# Altium PCB Bahran_pcb.PcbDoc (part 1 of 2) (continued)
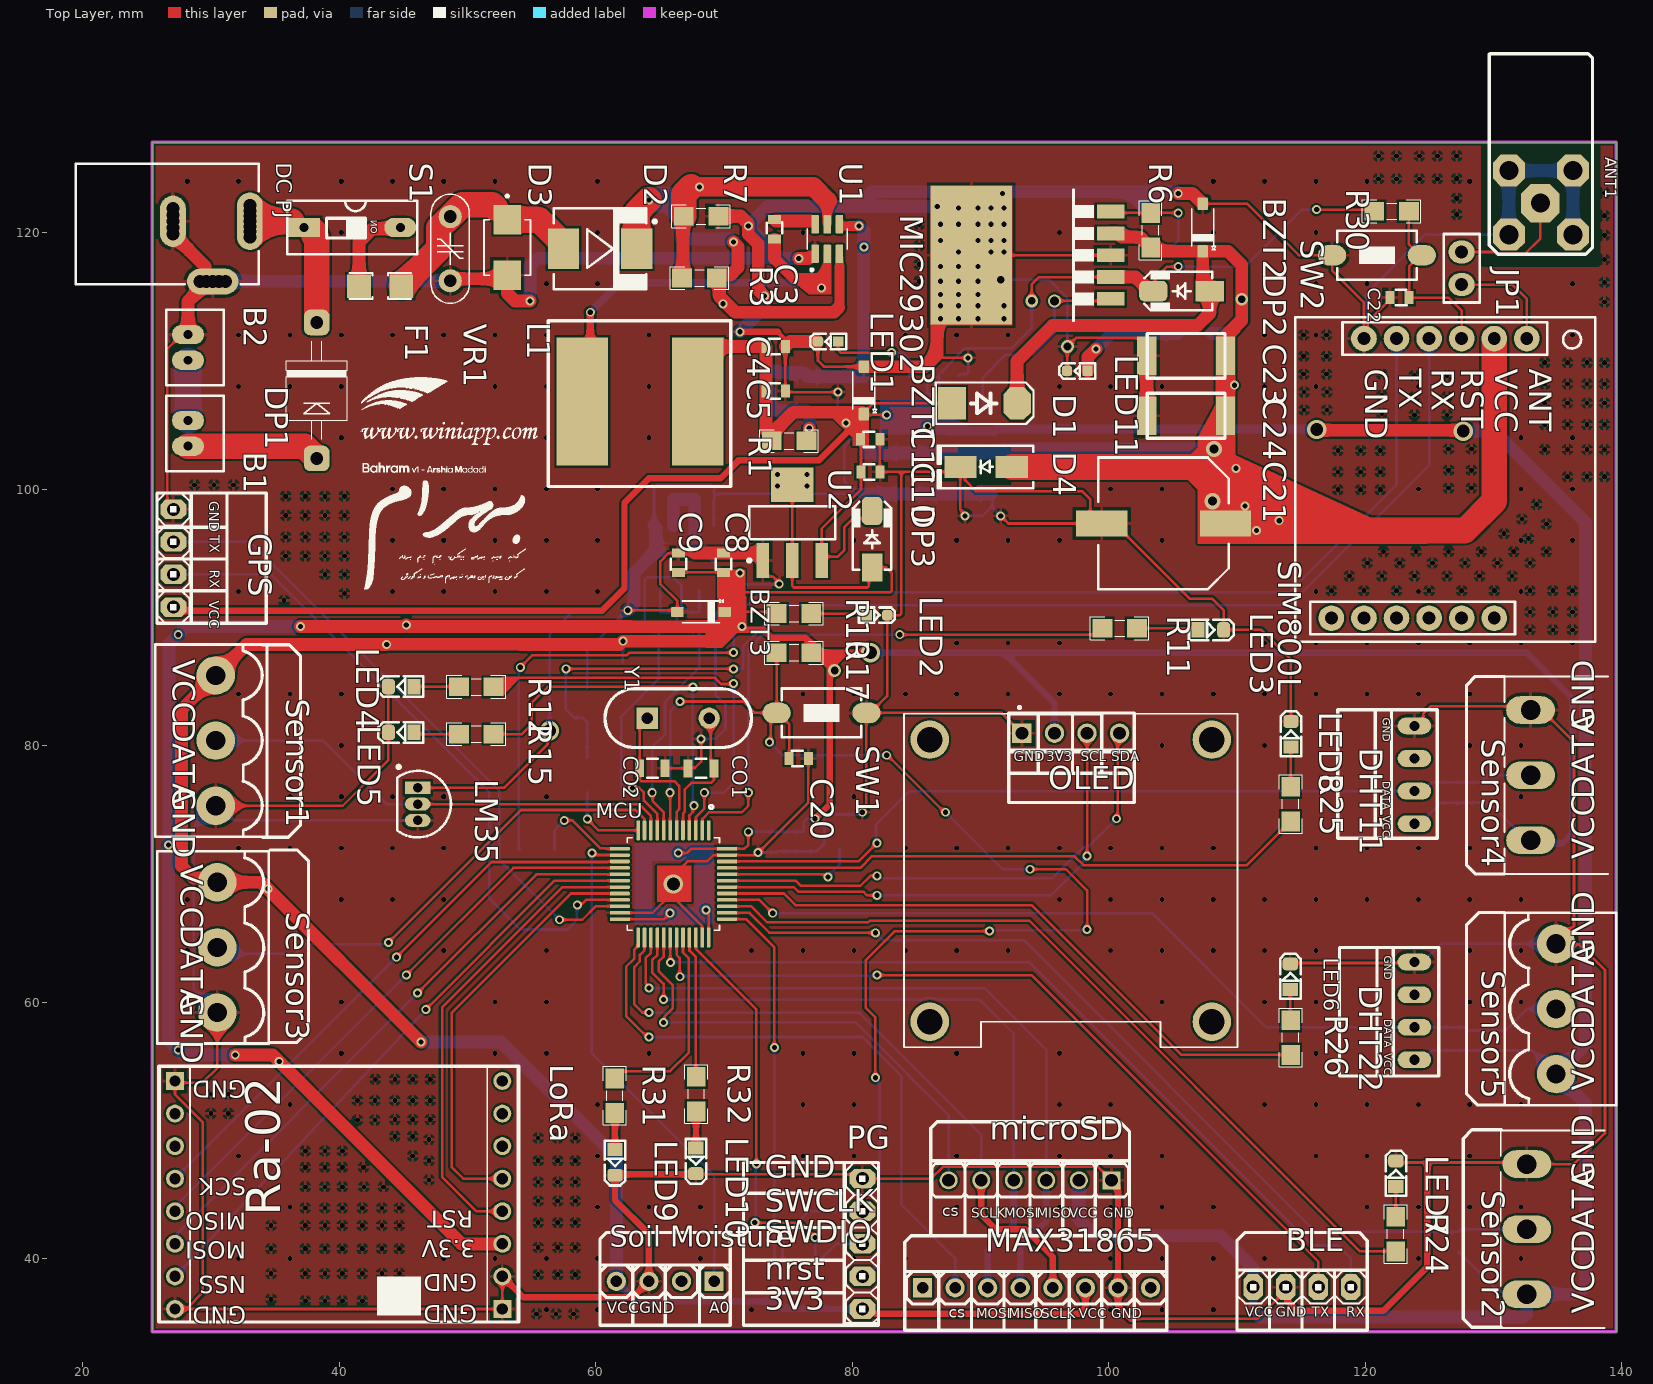
[diagram p0: Top Layer view]
## Footprints (in the part's own frame and the unit in brackets; to place one, negate y for a bottom-side part, rotate by r counter-clockwise, add the part's x,y. Pads: shape width x height; smd on the part's side, far side on the other; paste and mask are expansions set on the pad) (continued)
  round 55 hole 35: 2(-540,-1090) 3(-540,-1190) 4(-540,-1290) 5(-540,-1390) 6(-540,-1490) 7(-540,-1590) 8(-540,-1690) 10(465,-1590) 11(465,-1490) 12(465,-1390) 13(465,-1290) 14(465,-1190) 15(465,-1090) 16(465,-990)
  silkscreen extent -590,-1735 515,-948
MHDR1X04-254P [mm] "Male Header 1X04 with 2.54 mm Pitch"
  rect 1.5x1.5 hole 0.9: 1(0,0)
  round 1.5 hole 0.9: 2(2.54,0) 3(5.08,0) 4(7.62,0)
  silkscreen extent -1.27,-1.27 8.89,1.27, body extent -1.27,-1.27 8.89,1.27, height 8.43
MHDR1X08-254P [mm] "Male Header 1X08 with 2.54 mm Pitch"
  rect 1.5x1.5 hole 0.9: 1(0,0)
  round 1.5 hole 0.9: 2(2.54,0) 3(5.08,0) 4(7.62,0) 5(10.16,0) 6(12.7,0) 7(15.24,0) 8(17.78,0)
  silkscreen extent -1.27,-1.27 19.05,1.27, body extent -1.27,-1.27 19.05,1.27, height 8.43
MODULE_DM-OLED096-636 [mm]
  rect 1.508x1.508 / inner round 1.508 / far side rect 1.508x1.508 hole 1: 1(-3.81,11.5)
  round 1.508 hole 1: 2(-1.27,11.5) 3(1.27,11.5) 4(3.81,11.5)
  round 3 hole 2: S1(-11,11) S2(11,11) S3(11,-11) S4(-11,-11)
  silkscreen extent -13,-13 13,13.6, body extent -13,-13 13,13, height 5.66
"MSTB 2,5/3-G-5,08" [mil] "Header, Nominal current: 12 A Rated voltage (III/2): 320 V Number of positions: 3 Pitch: 5.08 mm Color: green Contact surface: Tin Assembly: Soldering  DESIGNER:ABBAS BASEREH"
  oval 85x150 hole 60: 1(-200,0) 2(0,0) 3(200,0)
  silkscreen extent -303,-238 303,80, body extent -300,-394 300,79, height 340
My_1X04 [mil]
  oct 60x80 hole 40: 1(-150,0) 2(-50,0) 3(50,0) 4(150,0)
  silkscreen extent -200,-50 200,50, body extent -198,-49 202,51, height 234
My_1X05 [mil]
  oct 60x80 hole 40: 1(-200,0) 2(-100,0) 3(0,0) 4(100,0) 5(200,0)
  silkscreen extent -250,-50 250,50, body extent -250,-59 250,56, height 335
MY_CAP_SMD-C [mm] "3.5X6"
  rect 1.5x3 smd: +(-2.8,0.1) -(3.35,0.1)
  silkscreen extent -2.75,-1.65 3.3,1.85, body extent -2.6,-1.5 3.2,1.7, height 2.6
MY_CAP_SMD_0603 [mm]
  rect 0.7x1 smd: 1(-0.75,0) 2(0.75,0)
  silkscreen extent -0.55,-0.6 0.3,0.6, body extent -1.29,-0.52 1.31,0.48, height 0.89
MY_CAP_SMD_0805 [mm]
  rect 0.7x1.4 smd: 1(-1,0) 2(1,0)
  silkscreen extent -0.4,-0.75 0.4,0.75, body extent -1,-0.62 1,0.63, height 0.78
MY_SIM20_ANT [mm]
  oct 2.5x2.5 hole 1.5: 1(-2.473,2.467) 1(-2.473,-2.533) 1(2.527,2.467) 1(2.527,-2.533)
  oct 3x3 hole 1.5: 2(0.067,0.007)
  silkscreen extent -4,-11.65 4.05,4, body extent -3.6,-11.55 3.4,3.55, height 9.86
"PHOENIX MSTBVF_3" [mm] "PHOENIX MSTBV 3, 5-G, 5.08mm pitch"
  round 3 hole 1.5: 1(-5.08,0) 2(0,0) 3(5.08,0)
  silkscreen extent -7.49,-4.7 7.49,4, body extent -7.5,-10.92 7.5,4.08, height 21.7
QFP50P900X900X160-48N [mm]
  rrect50% 1.56x0.28 smd: 2(-4.18,2.25) 3(-4.18,1.75) 4(-4.18,1.25) 5(-4.18,0.75) 6(-4.18,0.25) 7(-4.18,-0.25) 8(-4.18,-0.75) 9(-4.18,-1.25) 10(-4.18,-1.75) 11(-4.18,-2.25) 12(-4.18,-2.75) 25(4.18,-2.75) 26(4.18,-2.25) 27(4.18,-1.75) 28(4.18,-1.25) 29(4.18,-0.75) 30(4.18,-0.25) 31(4.18,0.25) 32(4.18,0.75) 33(4.18,1.25) 34(4.18,1.75) 35(4.18,2.25) 36(4.18,2.75) ""(-4.18,2.75)
  rrect50% 0.28x1.56 smd: 13(-2.75,-4.18) 14(-2.25,-4.18) 15(-1.75,-4.18) 16(-1.25,-4.18) 17(-0.75,-4.18) 18(-0.25,-4.18) 19(0.25,-4.18) 20(0.75,-4.18) 21(1.25,-4.18) 22(1.75,-4.18) 23(2.25,-4.18) 24(2.75,-4.18) 37(2.75,4.18) 38(2.25,4.18) 39(1.75,4.18) 40(1.25,4.18) 41(0.75,4.18) 42(0.25,4.18) 43(-0.25,4.18) 44(-0.75,4.18) 45(-1.25,4.18) 46(-1.75,4.18) 47(-2.25,4.18) 48(-2.75,4.18)
  silkscreen extent -6.15,-3.6 3.6,3.6, body extent -4.5,-4.5 4.5,4.5, height 1.6
"RES 0603_1608" [mm] "Chip Resistor, 2-Leads, Body 1.60x0.80mm, IPC Medium Density"
  rect 0.75x0.95 smd: 1(-0.8,0) 2(0.8,0)
  silkscreen extent -1.3,-0.67 1.3,0.68, body extent -0.8,-0.4 0.8,0.4, height 0.45
RESC3413X04N [mm] "Chip Resistor, 2-Leads, Body 3/40x1/30mm, IPC Medium Density-Design:Abbas Basereh"
  rect 1.55x1.45 smd: 1(-1.35,0) 2(1.35,0)
  silkscreen extent -2.29,-0.89 2.29,0.89, body extent -1.25,-0.62 1.25,0.62, height 0.79
SIM800L [mm]
  round 2 hole 1: 1(-10.9,7.62) 2(-10.9,5.08) 3(-10.9,2.54) 4(-10.9,0) 5(-10.9,-2.54) 6(-10.9,-5.08) 7(10.9,-7.62) 8(10.9,-5.08) 9(10.9,-2.54) 10(10.9,0) 11(10.9,2.54) 12(10.9,5.08)
  silkscreen extent -12.55,-10.45 12.73,12.95, body extent -12.41,-10.32 12.59,12.81, height 8.1
"SMD_1000uf 16V" [mm]
  rect 4x2 smd: 1(-4.826,0) 2(4.826,0)
  silkscreen extent -5.08,-5.14 5.08,5.14, body extent -5.5,-5.15 5.5,5.15, height 7.9
SOD123 [mm] "SOD-123; 2 Leads; Body 2.7 x 1.6 mm, (LxW)"
  round 0.508 on Mech15: 0(0,0)
  rrect25% 1x0.8 smd: 1(1.85,0) 2(-1.85,0)
  silkscreen extent -1.75,-1 1.45,0.85, body extent -1.85,-0.8 1.85,0.8, height 1.25
SOT95P280X110-6N [mm]
  rrect25% 1.45x0.59 smd: 1(-1.155,0.95) 2(-1.155,0) 3(-1.155,-0.95) 4(1.155,-0.95) 5(1.155,0) 6(1.155,0.95)
  silkscreen extent -2.5,-1.57 0.8,1.57, body extent -1.4,-1.45 1.4,1.45, height 1.1
SOT223_M [mm] "SOT223, 4-Leads, Body 6.5x3.5mm, Pitch 2.3mm, Lead Span 7mm, IPC Low Density"
  rect 2.7x1 smd: 1(-2.95,2.3) 2(-2.95,0) 3(-2.95,-2.3)
  rect 2.7x3.3 smd: 4(2.95,0)
  silkscreen extent -3.07,-3.35 1.3,3.47, body extent -3.49,-3.24 3.49,3.24, height 1.64
SWPBS_SPST_6X3X5 [mm] "SWITCH, PUSHBUTTON, SMD, SPST, 6X3.5mm, SKQMBBE010, 50000 Cycles, 1.57N Force"
  oval 2.2x1.6 smd mask+0.1: 1(-3.5,0) 2(3.5,0)
  silkscreen extent -3.1,-1.9 3.1,1.9, body extent -3.65,-1.75 3.65,1.75, height 5
TO263-5 [mil]
  rect 42x85 smd: 1(-134,-228) 2(-67,-228) 3(0,-228) 4(67,-228) 5(134,-228)
  rect 425.2x250 smd: 6(0,200)
  silkscreen extent -201,-176 201,-110, body extent -200,-272 200,315, height 190
Z03A [mm] "TO, Flat Index; 3 In-Line, Axial Leads; Body Dia. 5mm; Leads 0.55 x 0.50 mm (max)"
  rect 2x1 hole 0.75: 1(0,-1.27)
  oval 2x1 hole 0.75: 2(0,0) 3(0,1.27)
  silkscreen extent -2.6,-3.02 1.6,2.6, body extent -2.6,-2.61 1.6,2.61, height 5.2

## Part data
ANT1: "ANT"
B1 B2: "Connector Header Through Hole 0.079\" (2.00mm)", PartNumber=B2B-PH-K-S(LF)(SN)
BLE GPS: "Header, 4-Pin", LatestRevisionDate=17-Jul-2002, LatestRevisionNote="Re-released for DXP Platform.", Publisher="Altium Limited"
BZT1 BZT2 BZT3: library part "ZENER GENERAL DIODE", "DIODE ZENER GENERAL", ComponentLink1Description="Manufacturer Link", ComponentLink2Description=Datasheet, PackageDescription="DIODE GEN ZENER", PackageReference="DO 35", PackageVersion=2017-1-12, Published=2017-1-12, Publisher="Abbas Basereh"
C1 C2 C3 C4 C5 C6 C7 C8 C9 C10 C11: library part "CAP SMD_0603", "CAP SMD_0603"
C12 C13 C14 C15 C16 C17 C18 C19 C20 C22: library part "CAP SMD_0603", "1.6 mm × 0.8 mm"
C21: library part Capacitor, "Electrolyte Capacitor"
C23 C24: library part CAP_TANTAL_C, "6X3.2MM"
C25 C26 C27 C28: library part Cap, "Capacitor", LatestRevisionDate=17-Jul-2002, LatestRevisionNote="Re-released for DXP Platform.", PackageReference=RAD-0.3, Published=8-Jun-2000, Publisher="Altium Limited"
CO1 CO2: library part "CAP SMD_0805", "2.0 mm × 1.25 mm"
D1: library part 1N4007-1, "1N4007 smd diode"
D2: library part "1N5822 SMD", "Schottky Rectifiers", Manufacturer="ON Semiconductor/Fairchild", Data=16-12-2016, Designer="Abbas Basereh", Link=https://www.aliexpress.com/item/Free-shipping-100pcs-1n5822-sma-smd-do-214ac-Schottky-diode-ss34/32337482329.html?spm=2114.01010208.3.1.zLZDsP&ws_ab_test=searchweb0_0,searchweb201602_4_10065_10068_10084_10083_10080_10082_10081_10060_10061_10062_10056_10055_10054_10059_10099_10078_10079_427_10073_10103_10102_10096_10052_10050_10051,searchweb201603_4&btsid=6e50dc92-ac69-45bc-a19e-209af19ce602, Part. No=SS34
D3: "600W, 18.8V, 5%, Unidirectional, TVS", Package="SMD-2-2 Avago", Availability="In Stock", Check_prices=https://www.snapeda.com/parts/SMBJ16A/Taiwan+Semiconductor/view-part/?ref=eda, MF="Taiwan Semiconductor", MP=SMBJ16A, Price=None, Purchase-URL=https://pricing.snapeda.com/search/part/SMBJ16A/?ref=eda, SnapEDA_Link=https://www.snapeda.com/parts/SMBJ16A/Taiwan+Semiconductor/view-part/?ref=snap
D4: library part "US1M (SMD SMA)", "Diode Standard 1000V 1A Surface Mount SMA", PartNumber=US1M-13-F
"DC PJ": "DC Power Jack. Center Pin 2.5mm. Diameter: 5.7mm", Adding Date=10/21/2009, Company=Personal, Designer="Ali Hafizi", Project Name=Laser
DHT11: library part DHT22, "Capacitive-type humidity and temperature module/sensor", Package=Package, Check_prices=https://www.snapeda.com/parts/DHT22/Aosong+Electronics/view-part/?ref=eda, MF="Aosong Electronics", MP=DHT22, SnapEDA_Link=https://www.snapeda.com/parts/DHT22/Aosong+Electronics/view-part/?ref=snap
DHT22: "Capacitive-type humidity and temperature module/sensor", Package=Package, Check_prices=https://www.snapeda.com/parts/DHT22/Aosong+Electronics/view-part/?ref=eda, MF="Aosong Electronics", MP=DHT22, SnapEDA_Link=https://www.snapeda.com/parts/DHT22/Aosong+Electronics/view-part/?ref=snap
DP1 DP2 DP3: "Schottkey Rectifiers", Data=16-12-2016, Designer="Abbas Basereh"
F1: library part "Fuse SMD1206", "SMD Fuses 1206", Data=16-12-2016, Desc.="SMD Fuses 1206", Designer="Abbas Basereh"
FB1 FB2: library part "Ferrite Bead SMD Package", Designer="Ali Hafizi"
L1: library part INDUCTOR_SMD_3A, "INDUCTOR_SMD_3A"
L2: library part "Ind 1206", "SMT Inductor"
LM35: library part LM35CAZ, "Precision Centigrade Temperature Sensor", DigiKeyPartNumber=LM35CAZ-ND, Manufacturer="National Semiconductor", PackageTopMarking=NSXYTT*LM35*CAZ, PowerWise=N, Code_JEDEC=TO-226-AA, ComponentLink1Description="LM35 Datasheet", ComponentLink1URL=http://www.national.com/ds/LM/LM35.pdf, ComponentLink2Description="LM35 Web Page", ComponentLink2URL=http://www.national.com/pf/LM/LM35.html, ComponentLink3Description="Z03A Package Page", ComponentLink3URL=http://www.national.com/packaging/folders/z03a.html, CompType="Temp Sensor IC", DatasheetVersion=Nov-2000, LatestRevisionDate=15-Jul-2009, LatestRevisionNote="Sch pins 1 & 3 reversed.", PackageDescription="TO-92, Molded, 3 Lead", PackageReference=Z03A, PackageVersion="revG, Sep-2000", PartNumber=LM35CAZ, PinCount=3, Published=4-Dec-2008, Publisher="Altium Limited", RoHS=O
LoRa: library part LoRa
MAX31865: library part MHDR_1X08, "Male Header 1X08"
MCU: "ARM Cortex-M3 32-bit MCU, 64 KB Flash, 20 KB Internal RAM, 37 I/Os, 48-pin LQFP, -40 to 85 degC, Tray", I/Os (High Current)=37, Operating Frequency(F) (Processor speed) (MHz)=72, Supplier Part Number 1=497-6063-ND, Supply Voltage(Vcc) min (V)=2, A/D Converter="2x12-bit (10 Channel)", ComponentLink1Description="Manufacturer URL", ComponentLink1URL=http://www.st.com/web/en/home.html, ComponentLink2Description=Datasheet, ComponentLink2URL=http://www.st.com/st-web-ui/static/active/en/resource/technical/document/datasheet/CD00161566.pdf, ComponentLink3Description="Package Specification", ComponentLink3URL=http://www.st.com/st-web-ui/static/active/en/resource/technical/document/datasheet/DM00058181.pdf, Core="ARM Cortex-M3", DatasheetVersion="Rev. 16", FLASH Size (Prog) (kB)=64, Internal RAM Size (kB)=20, Mounting Technology="Surface Mount", PackageDescription="48-Pin Low Profile Quad Flat Package, 7 x 7 mm Body, 0.5 mm Pitch", PackageReference=LQFP48, PackageVersion="Rev. 6, 06/2013", Packing=Tray, PartNumber=STM32F103C8T6, Supplier 1=Digi-Key, Supplier 2=Farnell, Supplier 3=Newark, Supplier 4=Newark, Supplier 5=Mouser, Supplier Part Number 2=1447637, Supplier Part Number 3=59M2182, Supplier Part Number 4=57P1222, Supplier Part Number 5=511-STM32F103C8T6
MIC29302: "Linear Voltage Regulator IC Positive Adjustable 1 Output 3A TO-263-5", Package="TO-263-5 Microchip", Check_prices=https://www.snapeda.com/parts/MIC29302AWU/Microchip/view-part/?ref=eda, MF=Microchip, MP=MIC29302AWU, SnapEDA_Link=https://www.snapeda.com/parts/MIC29302AWU/Microchip/view-part/?ref=snap
microSD: library part "Header 6", "Header, 6-Pin", LatestRevisionDate=17-Jul-2002, LatestRevisionNote="Re-released for DXP Platform.", Publisher="Altium Limited"
OLED: library part DM-OLED096-636, "0.96â€ 128 X 64 MONOCHROME GRAPHIC OLED DISPLAY MODULE - I2C", Package=Package, Check_prices=https://www.snapeda.com/parts/DM-OLED096-636/Display+Module/view-part/?ref=eda, MF="Display Module", MP=DM-OLED096-636, SnapEDA_Link=https://www.snapeda.com/parts/DM-OLED096-636/Display+Module/view-part/?ref=snap
PG: "Header, 5-Pin", LatestRevisionDate=17-Jul-2002, LatestRevisionNote="Re-released for DXP Platform.", Publisher="Altium Limited"
R1 R2 R3 R4 R5 R6 R7 R8 R9 R10 R11 R12 R13 R14 R15 R16 R17 R24 R25 R26 R27 R28 R29 R30 R31 R32 R33: library part "RES 0805 0.125W", "RES 0805", Data=16-12-2016, Desc.="RES SMD 0805", Designer="Abbas Basereh"
R18 R19 R20 R21 R22 R23: library part "Res 0603", "RES 0603"
S1: library part "DIP Switch 1", "1 BIT DIP Switch"
Sensor1 Sensor3 Sensor5: "CONN, PHOENIX MSTBV, 5-G, 5.08mm pitch", PartNumber="MSTBV 2,5/ 2-G-5,08 - 1758018 + MSTB 2,5/ 3-ST-5,08 - 1757022"
Sensor2 Sensor4: library part CON_Phoenix_MSTB_03, "3 Pitch: 5.08 mm Color: green Contact surface: Tin Assembly", Manufacturer="PHOENIX CONTACT", Max Current="12 A", Voltage="320 V", Category=Connector, ComponentLink1Description="Header, Nominal current: 12 A Rated voltage (III/2): 320 V Number of positions: 3 Pitch: 5.08 mm Color: green Contact surface: Tin Assembly: Soldering  DESIGNER:ABBAS BASEREH", ComponentLink2Description=Reference, Connector type="PCB Terminal Block", Designer="ABBAS BASEREH", Mounting Technology=Through-Hole, PART.NO=PHOENIX, Pin Count=3, Positions=3, Revision 1=2017-3-1, Status=Unreleased
"Soil Moisture": library part MHDR_1X04, "Male Header 1X04"
SW1 SW2: "Tactile Switch SPST-NO Top Actuated Surface Mount", PartNumber=FSMSMTR-ND
U1: "4.5V to 28V Input, 2A Output, Synchronous Step-Down Voltage Converter 6-SOT-23-THIN -40 to 125", Package="SOT-23-THN-6 Texas Instruments", Availability=Good, Check_prices=https://www.snapeda.com/parts/TPS54202HDDCR/Texas%20Instruments/view-part/573706/?ref=eda, MF="Texas Instruments", MP=TPS54202HDDCR, Price=None, Purchase-URL=https://pricing.snapeda.com/search/part/TPS54202HDDCR/?ref=eda, SnapEDA_Link=https://www.snapeda.com/parts/TPS54202HDDCR/Texas%20Instruments/view-part/573706/?ref=snap
U2: library part AMS1117-x.x, "x.x Volt, 800mA Low-Dropout Linear Regulator, 4-pin SOT-223", Data=16-12-2016, Designer="Ali Hafizi"
VR1: library part "VARISTOR (VDR)", "VARISTORS", Manufacturer=china-canada-philipina, Data=2017-1-5, Designer="Abbas Basereh", Link=digikey.com, Models=MOV-VDR-COV, Publisher="ABBAS BASEREH"
Y1: library part XTAL, "Crystal Oscillator", LatestRevisionDate=17-Jul-2002, LatestRevisionNote="Re-released for DXP Platform.", PackageReference=R38, Published=8-Jun-2000, Publisher="Altium Limited"
JP1: Company=E.P.I.L, Defualt State=Close, Design Date=2011/11/02
SIM800L: Publisher=3DFootprint.ir

## Via types
v1: diameter 0.4, hole 0.4, Top Layer to Bottom Layer, tented both sides, 525 vias
v2: diameter 0.7, hole 0.4, Top Layer to Bottom Layer, tented both sides, 107 vias
v3: diameter 1.5, hole 1, Top Layer to Bottom Layer, tented both sides, 5 vias
v4: diameter 1, hole 0.6, Top Layer to Bottom Layer, tented both sides, 5 vias
v5: diameter 1.27, hole 0.711, Top Layer to Bottom Layer, tented both sides, 2 vias
v6: diameter 1, hole 0.7, Top Layer to Bottom Layer, tented both sides, 1 vias

## Nets (pads, with @x,y where several pads share a name; then routed paths per layer and width w, separated by ;. In a path a pad name is that pad's centre, name@x,y a point inside that pad or via, vN(x,y) a via of type N, cw(c..) or ccw(c..) an arc to the next point about the centre after c; other vN are vias at no path point)
3V3: "Soil Moisture.4" BZT3.2 C8.1 C9.1 C12.1 C13.1 C14.1 C15.1 C16.1 C17.1 DHT11.VDD DP3.1 FB1.1 L2.1 LoRa.3 MAX31865.6 MCU.24 MCU.36 MCU.48 OLED.2 PG.5 R10.2 R13.1 R14.1 R17.1 R18.2 R20.2 R23.2 Sensor1.1 Sensor3.1 Sensor4.1 U2.2 U2.4 | length 458.4
  Top Layer w0.2: MCU.24@61.86,66.465 61.866,66.471 65.328,66.471 v2(65.786,66.929) ; v2(66.421,71.628) 67.114,71.628 67.451,71.965 71.584,71.965 71.882,72.263 v2(71.882,73.279) ; C9.1@66.447,93.515 C8.1@69.951,93.515 70.049,93.417 BZT3.2@70.049,90.424 ; v2(68.58,67.183) 68.58,67.048 68.79,66.838 MCU.36@68.79,65.035 ; C8.1@70.049,93.515 70.823,93.515 71.328,93.01 v2@71.056,93.281 ; 70.104,89.662 70.104,89.408 70.294,89.218 70.612,88.9 ; BZT3.2@70.149,90.424 70.507,90.065 70.612,89.961 ; R10.2@74.088,90.297 73.961,90.424 71.11,90.424 71.11,91.821 71.247,91.821 71.374,91.948 72.39,91.948 82.941,91.948 83.058,92.065 83.058,93.472 82.632,93.898 DP3.1@81.534,93.898 81.28,93.644 81.28,92.446 81.163,92.329 75.438,92.329 75.311,92.456 U2.2@75.311,94.43 U2.4@75.311,100.33 ; PG.5@80.772,36.068 81.112,35.728 81.764,35.728 81.805,35.687
  Top Layer w0.5: Sensor3.1@30.151,69.671 Sensor3.1@30.48,69.342 ; Sensor1.1@30.353,85.471 Sensor1.1@30.532,85.65 ; 69.215,88.138 69.719,88.642 69.719,89.023 ; 69.787,89.345 69.977,89.535 70.104,89.662 ; 70.612,90.17 71.31,89.471 v2@71.31,89.218 ; v2(71.389,89.281) 71.374,89.281 v2@71.31,89.218 ; R17.1@76.788,87.249 78.232,87.249 ; R17.1@76.997,87.757 76.33,88.424 73.683,88.424 73.084,89.023 71.505,89.023 v2@71.31,89.218 ; v2(77.089,74.295) 78.232,75.438 78.232,87.249 ; v3(81.407,87.249) 78.232,87.249 ; 81.805,35.687 97.663,35.687 98.171,36.195 MAX31865.6@98.171,37.719
  Top Layer w1: Sensor3.1@30.151,69.671 28.627,69.671 27.686,70.612 27.686,82.804 Sensor1.1@30.353,85.471 ; Sensor3.1@30.48,69.342 33.909,69.342 v2(46.355,56.896) ; Sensor1.1@30.532,85.65 32.766,87.884 v2(43.688,87.884) 43.711,87.907 54.079,87.907 54.102,87.884 61.849,87.884 v2(62.103,88.138) 69.215,88.138 ; v2(31.877,55.88) 34.798,55.88 49.53,41.148 LoRa.3@52.705,41.148 ; v2(36.957,89.281) 45.085,89.281 v2(45.212,89.408) 45.339,89.281 62.733,89.281 62.744,89.27 67.103,89.27 67.114,89.281 69.469,89.281
  Bottom Layer w0.2: Sensor3.1@30.48,69.342 34.036,69.342 36.576,66.802 R20.2@36.576,65.405 ; L2.1@62.097,86.487 62.103,86.493 v2(62.103,88.138) ; FB1.1@68.072,95.074 68.397,95.074 69.745,93.726 70.462,93.726 70.497,93.761 70.691,93.568 71.151,93.568 v2(71.247,93.472) ; v2(71.882,73.279) 74.156,73.279 C12.1@74.168,73.267 C17.1@76.2,73.267 76.2,74.041 76.454,74.295 v2(77.089,74.295) ; DHT11.VDD@123.825,73.914 124.231,73.914 125.844,75.527 R18.2@126.619,75.527 R23.2@128.905,75.527 129.68,75.527 131.684,73.523 131.684,73.52 132.589,72.615 Sensor4.1@132.884,72.615 Sensor4.1@133.109,72.39
  Bottom Layer w0.5: 61.595,38.227 63.152,36.67 R14.1@74.041,36.67 74.041,36.62 74.593,36.068 PG.5@80.772,36.068 ; v3(81.407,87.249) 91.821,87.249 ; OLED.2@95.758,80.969 95.758,83.312 91.821,87.249 ; Sensor4.1@133.109,72.39 135.382,72.39 136.144,73.152 136.144,83.693 132.588,87.249 91.821,87.249
  Bottom Layer w1: v2(31.877,55.88) 27.813,55.88 26.67,57.023 v2(26.67,72.263) 26.715,72.308 26.715,87.929 28.067,89.281 v2(36.957,89.281) ; v2(46.355,56.896) 52.578,56.896 61.595,47.879 61.595,38.227 ; C13.1@66.028,97.155 C15.1@66.028,99.187 C14.1@67.703,99.187 C16.1@67.703,97.155 67.703,97.118 67.722,97.099 67.722,95.099 67.747,95.074 FB1.1@68.072,95.074
  other v1: 74.168,100.248 76.454,100.248 74.168,101.137 76.454,101.137
  other v2: 35.306,55.372 27.432,56.261 34.417,68.834 27.432,88.646
  other v4: 78.613,85.852
4V2: BZT2.2 C21.1 C23.+ C24.+ C25.2 C26.2 C27.2 C28.2 D1.2 D4.1 DP2.1 MIC29302.4 R6.2 R33.2 SIM800L.2 | length 141.6
  Top Layer w0.2: R6.2@103.251,118.839 R6.2@103.544,118.546 ; DP2.1@107.569,115.738 DP2.1@107.864,115.443
  Top Layer w1: D1.2@92.848,106.68 92.848,109.993 95.615,112.76 106.918,112.76 107.864,113.706 DP2.1@107.864,115.443 ; MIC29302.4@100.018,119.972 100.665,119.972 101.003,119.634 102.44,119.634 102.96,119.114 103.026,119.114 103.251,118.889 R6.2@103.251,118.839 ; R6.2@103.544,118.546 BZT2.2@107.315,118.546 ; DP2.1@107.315,115.743 BZT2.2@107.315,118.546 ; 108.204,101.727 108.458,101.727 ; v5(108.204,103.124) 108.267,103.06 v5@108.458,103.251 ; 108.458,100.901 108.458,101.727 ; v2(111.506,96.774) 110.639,96.774 110.093,97.32 C21.1@109.093,97.32 109.099,97.326 109.099,101.981 108.845,101.727 108.458,101.727 ; BZT2.2@107.315,118.546 109.292,118.546 110.363,117.475 v4(110.363,114.808) 110.363,113.157 109.347,112.141 109.347,110.638 C23.+@109.099,110.39 C24.+@109.099,105.725 108.849,105.475 108.849,103.388 108.458,102.997 108.458,101.727
  Top Layer w2: D4.1@92.424,101.727 108.204,101.727 ; v2(111.506,96.774) 127.762,96.774 130.048,99.06 SIM800L.2@130.048,111.738
  Bottom Layer w1: C28.2@81.026,102.806 C27.2@84.328,102.806 C26.2@87.426,102.806 C25.2@90.932,102.806 91.194,103.068 91.826,103.068 91.881,103.124 ; R33.2@108.03,112.141 109.347,112.141 110.363,113.157 v4(110.363,114.808)
  Bottom Layer w2: 92.389,102.616 107.696,102.616 v5(108.204,103.124)
  other v2: 113.284,97.536 110.617,98.679 109.916,101.623 109.789,108.1
  other v5: 108.077,99.06
5_SW: BLE.4 BZT1.2 C4.1 C5.1 C7.1 C10.1 C11.1 D1.1 DHT22.VDD DP2.2 DP3.2 GPS.4 L1.2 LM35.1 MIC29302.2 microSD.2 R1.2 R2.2 R5.2 R19.2 R21.2 R22.2 R30.2 Sensor2.1 Sensor5.1 U2.3 | length 412.3
  Top Layer w0.2: GPS.4@27.051,90.805 GPS.4@27.332,90.524 ; LM35.1@46.101,76.708 52.832,76.708 56.227,80.103 56.227,80.992 v3(56.388,81.153) ; BZT1.2@80.946,105.791 v2(82.677,105.791) ; DP3.2@81.534,98.298 80.934,97.698 80.045,97.698 79.375,97.028 79.375,95.25 78.867,94.742 77.923,94.742 U2.3@77.611,94.43 77.611,96.915 80.669,99.973 C10.1@80.669,101.346 80.669,103.862 C11.1@80.645,103.886 80.891,104.132 80.891,105.746 BZT1.2@80.891,105.846 80.891,105.946 81.625,106.68 D1.1@87.768,106.68 ; v4(93.98,114.681) 93.98,115.951 94.564,116.535 MIC29302.2@100.152,116.535 ; DP2.2@103.164,115.443 DP2.2@103.464,115.443 103.599,115.578 103.599,116.426 104.521,117.348 v2(105.41,117.348) ; v2(116.205,121.793) 120.57,121.793 R30.2@120.697,121.666
  Top Layer w0.5: GPS.4@27.332,90.524 60.479,90.524 62.23,92.275 62.23,98.933 64.135,100.838 69.723,100.838 71.12,102.235 77.38,102.235 BZT1.2@80.891,105.746
  Top Layer w1: L1.2@68.326,107.218 L1.2@67.945,106.837 67.945,109.625 69.445,111.125 C4.1@73.269,111.125 C5.1@73.269,107.644 73.269,104.57 R1.2@73.432,104.407 ; R1.2@73.707,103.759 73.707,104.314 75.389,105.996 80.741,105.996 BZT1.2@80.891,105.846 ; MIC29302.2@100.152,116.535 102.072,116.535 DP2.2@103.164,115.443 ; v3(116.205,104.648) 116.268,104.584 127.572,104.584 v3(127.635,104.521)
  Bottom Layer w0.2: v3(56.388,81.153) 56.388,88.646 58.229,90.487 60.389,90.487 62.112,92.211 62.112,98.942 64.135,100.965 69.977,100.965 71.247,102.235 77.47,102.235 79.502,104.267 v2(79.502,105.156) ; 83.273,104.728 82.703,105.298 82.703,105.765 v2(82.677,105.791) 84.154,105.791 R2.2@84.455,106.092 85.645,106.092 85.852,106.299 85.852,108.331 86.249,108.728 86.671,108.728 C7.1@86.782,108.839 ; R5.2@87.216,106.045 86.782,106.479 C7.1@86.782,108.839 ; v4(93.98,114.681) 93.98,112.529 92.449,110.998 88.791,110.998 86.782,108.989 C7.1@86.782,108.839 ; v2(105.41,117.348) 110.617,117.348 115.062,121.793 v2(116.205,121.793) ; DHT22.VDD@123.825,55.499 124.479,55.499 125.203,56.223 R19.2@126.873,56.223 133.034,56.223 Sensor5.1@134.874,54.383 ; R21.2@127.254,40.475 127.354,40.475 130.383,37.446 132.353,37.446 Sensor2.1@132.588,37.211
  Bottom Layer w0.4: 83.273,104.728 85.298,104.728 85.415,104.845 85.795,104.845 v2(85.852,104.902)
  Bottom Layer w0.5: BLE.4@111.252,37.771 111.252,35.941 111.76,35.433
  Bottom Layer w0.6: v2(85.852,104.902) 85.871,104.883 87.04,104.883 87.402,104.521
  Bottom Layer w0.7: 87.402,104.521 91.086,104.521 91.239,104.674 116.179,104.674 v3(116.205,104.648)
  Bottom Layer w1: microSD.2@97.663,46.101 97.663,43.053 98.933,41.783 108.712,41.783 111.252,39.243 BLE.4@111.252,37.771 ; 111.76,35.433 132.334,35.433 132.588,35.687 Sensor2.1@132.588,37.211 136.525,37.211 137.16,37.846 137.16,52.097 Sensor5.1@134.874,54.383 137.16,56.669 137.16,97.409 130.048,104.521 v3(127.635,104.521)
12V: "DC PJ.1" DP1.2 S1.1 | length 12.5
  Top Layer w1: S1.1@36.258,120.885 36.747,120.396 37.747,120.396 S1.1@37.997,120.146 ; S1.1@37.997,119.79 38.227,119.56
  Top Layer w2: 33.02,120.885 S1.1@36.258,120.885 ; S1.1@37.997,119.79 S1.1@37.997,120.146 ; DP1.2@38.227,112.996 38.227,119.56
12V_IN: F1.1 S1.2 | length 7.1
  Top Layer w1: F1.1@41.53,115.824 41.53,119.254 42.576,120.3 44.651,120.3 S1.2@44.747,120.396
ANT: JP1.1 SIM800L.1 | length 9.1
  Top Layer w0.2: JP1.1@127.508,115.951 131.445,115.951 132.588,114.808 SIM800L.1@132.588,111.738
  Bottom Layer w1: SIM800L.1@132.588,111.738 132.588,112.009 SIM800L.1@132.715,111.882
BLE_RX: BLE.1 MCU.30 | length 66.8
  Top Layer w0.2: MCU.30@65.79,65.035 65.796,65.029 65.796,63.122 v2(65.828,63.09)
  Bottom Layer w0.2: v2(65.828,63.09) 65.858,63.119 93.778,63.119 115.876,41.021 117.856,41.021 118.872,40.005 BLE.1@118.872,37.771
BLE_TX: BLE.2 MCU.31 | length 64.2
  Top Layer w0.2: MCU.31@66.29,65.035 66.292,65.033 66.292,63.69 66.532,63.45 66.532,61.992 v2(66.548,61.976) ; v2(81.915,62.103) 93.98,62.103 116.332,39.751 BLE.2@116.332,37.771
  Bottom Layer w0.2: v2(66.548,61.976) 66.611,62.039 81.852,62.039 v2(81.915,62.103)
BOOT0: MCU.44 R16.1 | length 10.5
  Top Layer w0.2: MCU.44@70.22,69.965 77.855,69.965 78.059,69.761 v2(78.105,69.761)
  Bottom Layer w0.2: v2(78.105,69.761) 78.105,69.85 78.994,70.739 R16.1@78.994,71.929
cs_LoRa: LoRa.15 MCU.18 | length 47.8
  Top Layer w0.2: v2(46.736,59.436) 56.765,69.465 MCU.18@61.86,69.465
  Bottom Layer w0.2: LoRa.15@27.178,38.608 27.308,38.738 27.367,38.797 v2(46.736,59.436)
CS_MAX31865: MAX31865.2 MCU.25 | length 48.2
  Top Layer w0.2: MCU.25@63.29,65.035 63.29,64.395 62.973,64.078 62.973,63.373 62.357,62.757 62.357,58.928 v2@64.072,57.213
  Bottom Layer w0.2: v2@64.008,57.277 v2(64.135,57.277) 80.772,57.277 83.82,54.229 83.82,44.196 88.011,40.005 MAX31865.2@88.011,37.719
CS_mSD_M: MCU.29 microSD.6 | length 37.7
  Top Layer w0.2: v2@65.235,58.539 65.347,58.651 65.347,58.87 65.982,59.505 65.982,61.35 64.897,62.435 64.897,63.154 65.29,63.547 MCU.29@65.29,65.035
  Bottom Layer w0.2: v2(65.278,58.42) 80.271,58.42 84.274,54.417 84.274,54.41 87.503,51.181 microSD.6@87.503,46.101
DHT11_1: DHT11.DATA MCU.46 R18.1 R23.1 Sensor4.2 | length 66.4
  Top Layer w0.2: MCU.46@70.22,70.965 80.483,70.965 81.908,72.39 v2(81.915,72.39)
  Bottom Layer w0.2: v2(81.915,72.39) 81.842,72.463 81.842,73.841 84.455,76.454 124.482,76.454 125.155,77.127 R18.1@126.619,77.127 R23.1@128.905,77.127 129.005,77.127 129.573,77.695 Sensor4.2@132.884,77.695
DHT22_1: DHT22.DATA MCU.40 R19.1 R22.1 Sensor5.2 | length 68.8
  Top Layer w0.2: MCU.40@70.993,67.971 72.745,67.971 v2(73.787,66.929)
  Bottom Layer w0.2: v2(73.787,66.929) 103.378,66.929 112.268,58.039 DHT22.DATA@123.825,58.039 126.873,58.039 127.731,58.039 127.985,57.785 130.937,57.785 132.615,59.463 Sensor5.2@134.874,59.463
DIO0_LoRa: LoRa.5 MCU.20 | length 33.3
  Top Layer w0.2: LoRa.5@52.705,46.228 49.657,46.228 48.768,47.117 48.768,59.182 58.051,68.465 MCU.20@61.86,68.465
DS18B20_1: MCU.11 R20.1 Sensor3.2 | length 39.3
  Top Layer w0.2: v2(43.815,64.643) 54.152,74.98 63.084,74.98 63.784,74.281 63.784,73.401 MCU.11@63.79,73.395
  Bottom Layer w0.2: Sensor3.2@30.48,64.262 30.988,63.754 R20.1@36.527,63.754 ; R20.1@36.576,63.805 37.279,64.508 43.448,64.508 43.487,64.547 43.719,64.547 v2(43.815,64.643)
DS18B20_2: MCU.38 R21.1 Sensor2.2 | length 72.8
  Top Layer w0.2: MCU.38@70.22,66.965 70.226,66.959 71.979,66.959 73.533,65.405 v2(81.788,65.405)
  Bottom Layer w0.2: v2(81.788,65.405) 82.365,64.828 93.377,64.828 116.13,42.075 R21.1@127.254,42.075 127.47,42.291 Sensor2.2@132.588,42.291